# Altium PCB DI544.PcbDoc (part 3 of 7)
Units mil, origin at the board's own origin, x right, y up, seen from the top; angles counter-clockwise.
Board outline 8666.42 x 9192.01 mil, 4 copper layers (Top Layer, Mid-Layer 1, Mid-Layer 2, Bottom Layer), stack 35.6 mil thick; 830 components, 583 nets, 2837 pads, 1326 vias.
Unrouted connection lines stored in the file: 629.
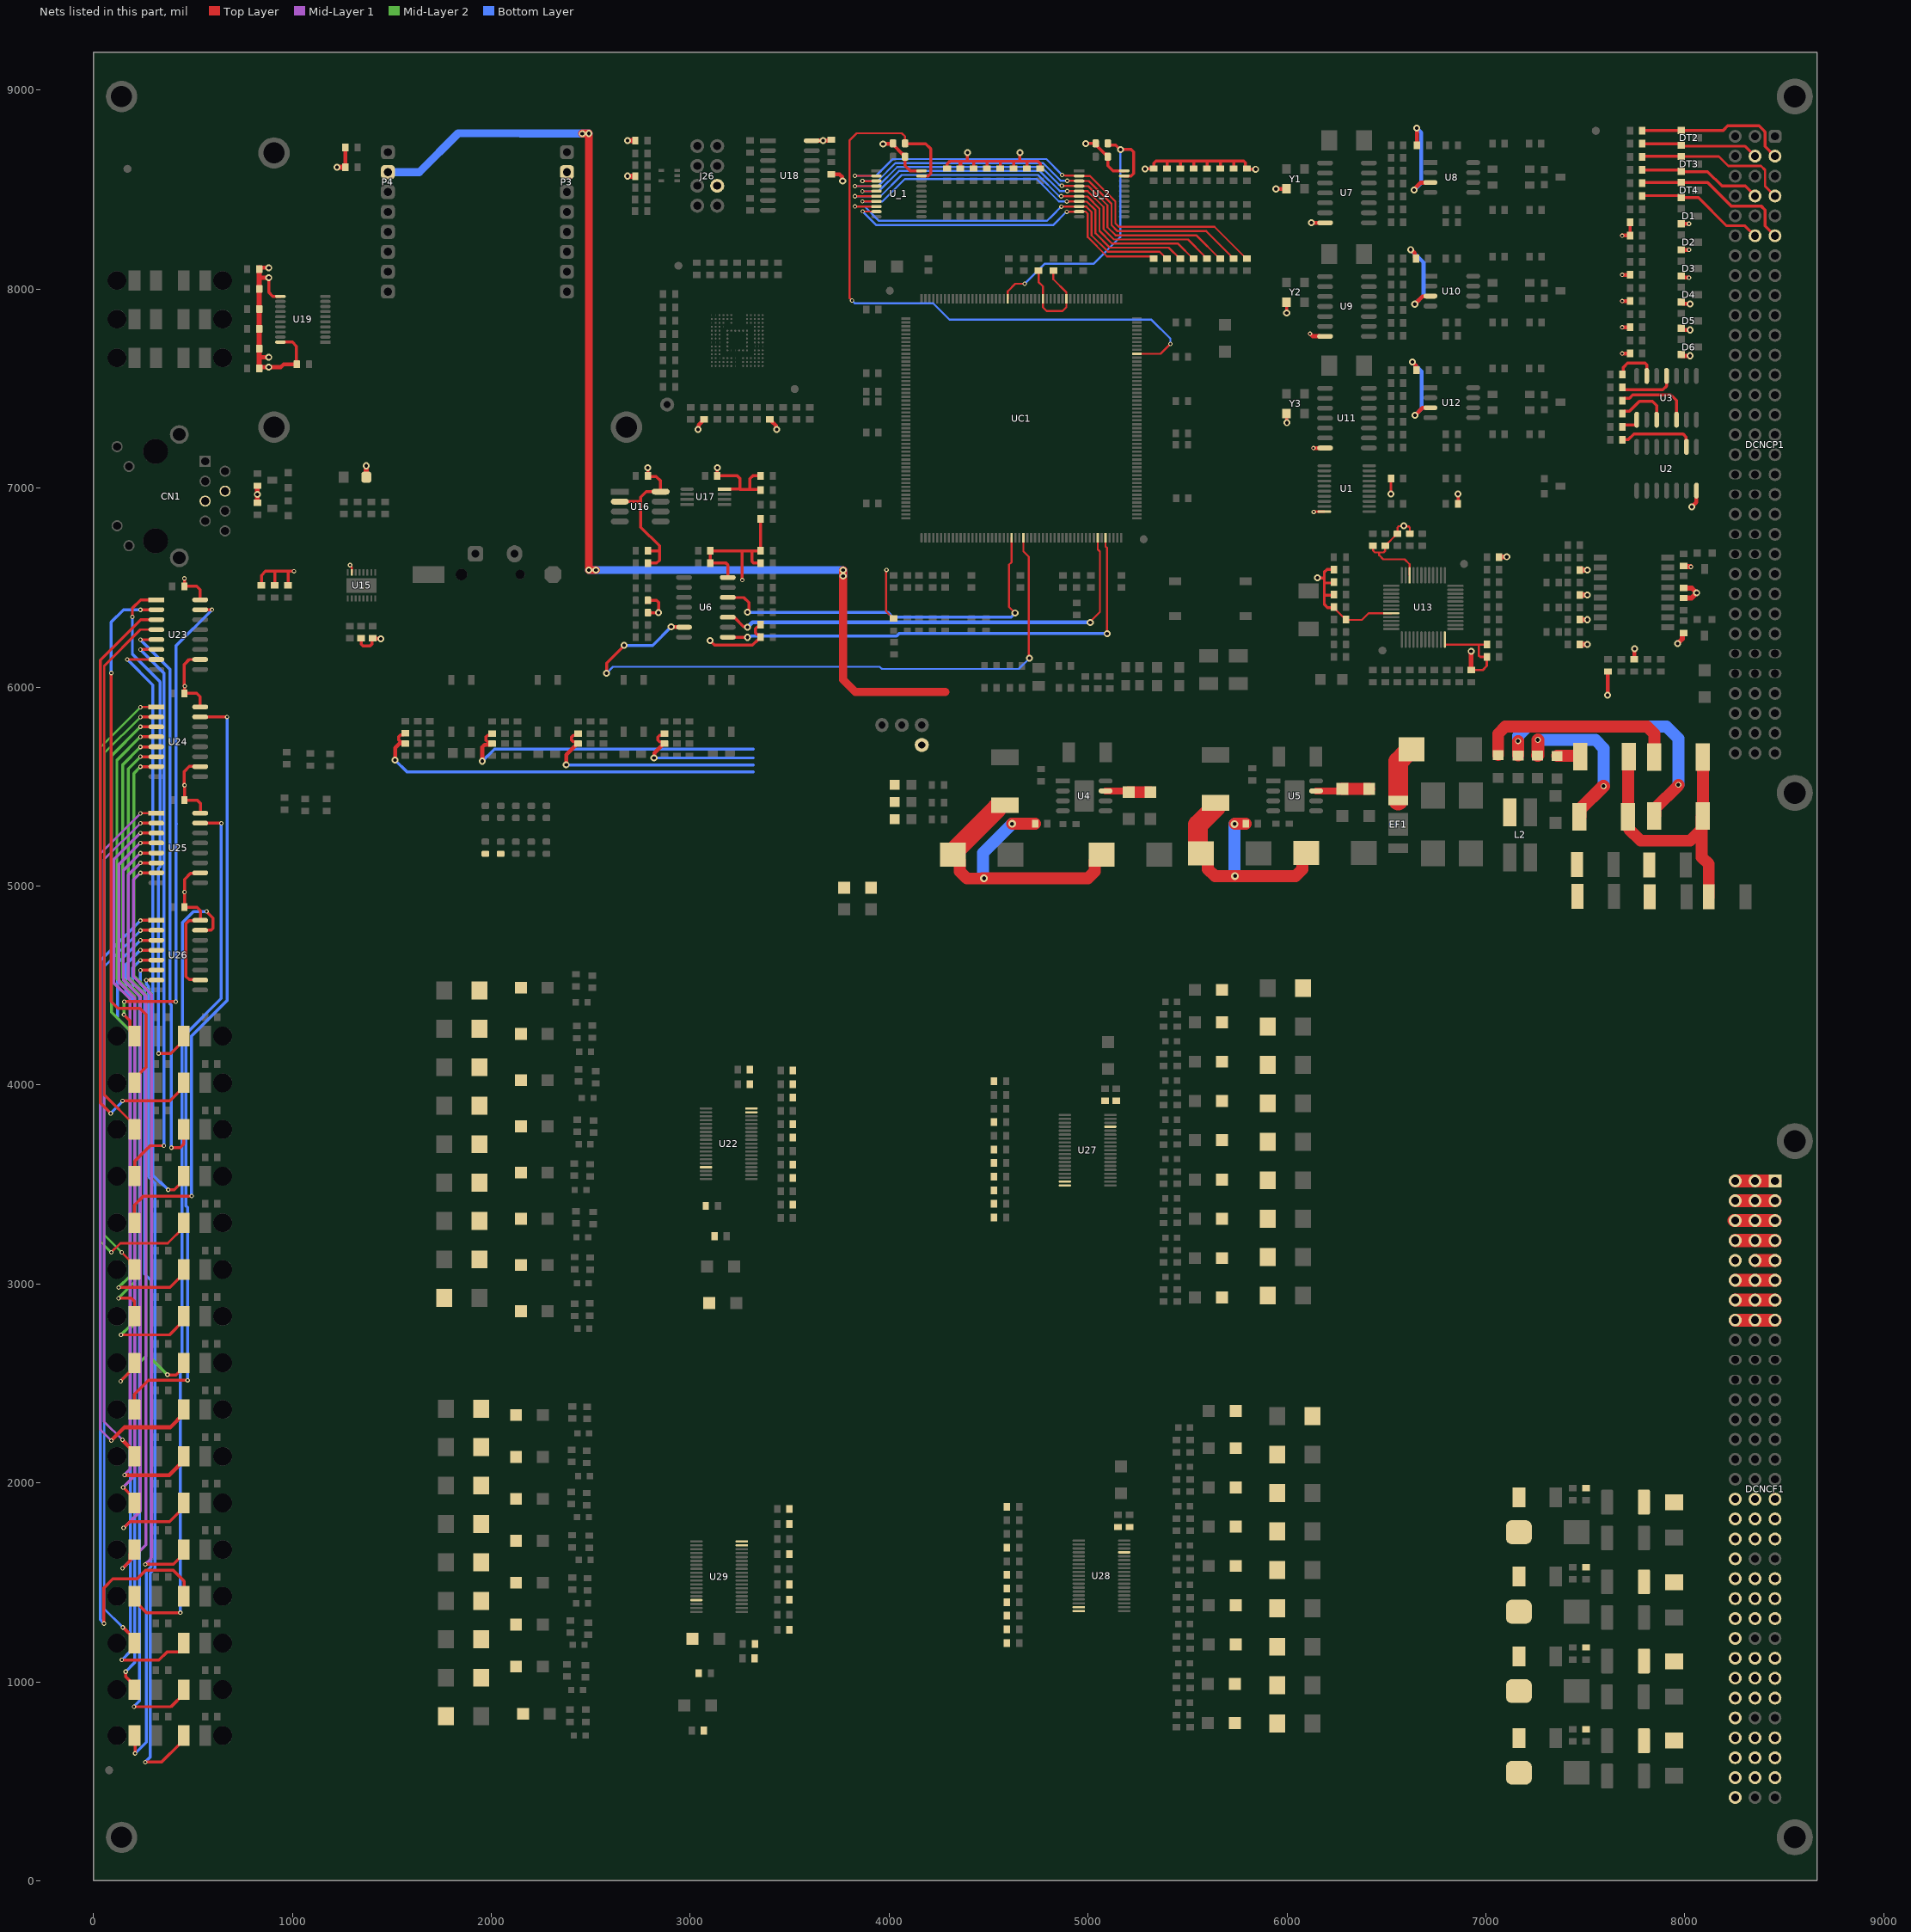
[diagram p5: the nets of this part, all layers, seen from the top]

## Part data (continued)
Y1 Y2 Y3: library part 10010656, "MINIATURE PURE SILICON CLOCK OSCILLATOR", Manufacturer="ABRACON Corporation", Package=SMD, PartNumber="ASFLMB-12MHZ-EY (2)", SAPCode=10010656, Type=SMD
Y4: library part 10008999, "Crystal, 25.0000 MHz, 18PF", Manufacturer="ECS Inc International", Package=SMD, PartNumber=ECS-250-18-23A-EN, SAPCode=10008999, Type=SMD

## Free pads (board coordinates)
  round 157.48 hole 106.3: 1(141.57,218.5) 1(141.57,8968.5) 1(908,7307) 1(908,8684.95) 1(2679.65,7307)
  round 40 smd mask+20: G(79,556) G(171,8605) G(2941.06,8118) G(3525.59,7498.03) G(4004,7992) G(5280,6743) G(6480.57,6183.84) G(6890.68,6619.28) G(7553,8796)
  round 40 smd far side mask+20: G(79,556) G(171,8605) G(7553,8796)

## Via types
v1: diameter 22, hole 12, Top Layer to Bottom Layer, tented both sides, 440 vias
v2: diameter 32, hole 18, Top Layer to Bottom Layer, tented both sides, 418 vias
v3: diameter 35, hole 18, Top Layer to Bottom Layer, tented both sides, 380 vias
v4: diameter 20, hole 12, Top Layer to Bottom Layer, tented both sides, 52 vias
v5: diameter 24, hole 12, Top Layer to Bottom Layer, tented both sides, 8 vias
v6: diameter 38, hole 18, Top Layer to Bottom Layer, tented both sides, 6 vias
v7: diameter 30, hole 20, Top Layer to Bottom Layer, 4 vias
v8: diameter 39.37, hole 19.68, Top Layer to Bottom Layer, 4 vias
v9: diameter 62.99, hole 31.5, Top Layer to Bottom Layer, tented both sides, 4 vias
v10: diameter 35, hole 19, Top Layer to Bottom Layer, tented both sides, 4 vias
v11: diameter 21, hole 12, Top Layer to Bottom Layer, tented both sides, 3 vias
v12: diameter 35, hole 12, Top Layer to Bottom Layer, tented both sides, 1 vias
v13: diameter 22.01, hole 12, Top Layer to Bottom Layer, tented both sides, 1 vias
v14: diameter 35, hole 22, Top Layer to Bottom Layer, tented both sides, 1 vias

## Nets (pads, with @x,y where several pads share a name; then routed paths per layer and width w, separated by ;. In a path a pad name is that pad's centre, name@x,y a point inside that pad or via, vN(x,y) a via of type N, cw(c..) or ccw(c..) an arc to the next point about the centre after c; other vN are vias at no path point)
24G1: C49.1 DCNCF1.A2 DCNCF1.A4 DCNCF1.A6 DCNCF1.A8 DCNCF1.B2 DCNCF1.B4 DCNCF1.B6 DCNCF1.B8 DCNCF1.C2 DCNCF1.C4 DCNCF1.C6 DCNCF1.C8 DT5.K DT6.K DT7.K DT8.K L2.2 | length 2296.2
  Top Layer w60: DT5.K@7714.09,5348 7719.53,5342.57 7719.53,5286.15 7777.67,5228 8027.42,5228 DT7.K@8085.57,5286.15 ; DT5.K@7716.09,5350 DT6.K@7716.09,5648 ; DT8.K@8091,5649 DT7.K@8091,5352 8085.57,5346.57 DT7.K@8085.57,5286.15 ; C49.1@8121,4946 8121,5109.62 8085.57,5145.05 DT7.K@8085.57,5286.15
  Top Layer w65: DCNCF1.C8@8253.78,2818.5 DCNCF1.B8@8353.78,2818.5 DCNCF1.A8@8453.78,2818.5 ; DCNCF1.C6@8253.78,3018.5 DCNCF1.B6@8353.78,3018.5 DCNCF1.A6@8453.78,3018.5 ; DCNCF1.C4@8253.78,3218.5 DCNCF1.B4@8353.78,3218.5 DCNCF1.A4@8453.78,3218.5 ; DCNCF1.C2@8253.78,3418.5 DCNCF1.B2@8353.78,3418.5 DCNCF1.A2@8453.78,3418.5
24V1: C45.1 D10.A DCNCF1.A1 DCNCF1.B1 DCNCF1.C1 DT8.A | length 1239.6
  Top Layer w60: D10.A@7062,5658 7062,5765.85 7097.15,5801 7232.04,5801 7233.04,5802 7288.96,5802 7289.96,5801 7811.76,5801 7846.91,5765.85 DT8.A@7846.91,5649
  Top Layer w65: DCNCF1.C1@8253.78,3518.5 DCNCF1.B1@8353.78,3518.5 DCNCF1.A1@8453.78,3518.5
24V2: C44.1 D9.A DCNCF1.A3 DCNCF1.B3 DCNCF1.C3 DT7.A | length 1595.1
  Top Layer w60: v7(7162,5729) 7163,5728 D9.A@7163,5656.17 ; DT7.A@7846.91,5352 7852.34,5357.43 7852.34,5390.9 7968,5506.56 v7(7968,5509)
  Top Layer w65: DCNCF1.C3@8247.74,3318.5 DCNCF1.B3@8353.78,3318.5 DCNCF1.A3@8453.78,3318.5
  Bottom Layer w60: v7(7162,5729) 7162,5753.85 7210.15,5802 7908,5802 7968,5742 v7(7968,5509)
24V3: C43.1 D8.A DCNCF1.A5 DCNCF1.B5 DCNCF1.C5 DT6.A | length 217.7
  Top Layer w60: D8.A@7358,5654 7470,5654 DT6.A@7474,5650
  Top Layer w65: DCNCF1.B5@8353.78,3118.5 DCNCF1.A5@8453.78,3118.5
24V4: C42.1 D7.A DCNCF1.A7 DCNCF1.B7 DCNCF1.C7 DT5.A | length 1024.6
  Top Layer w65: D7.A@7260,5656 7261,5657 v7(7261,5734.5) ; DT5.A@7470,5348 7472.93,5350.93 7472.93,5384.4 7590.54,5502 v7(7592,5502) ; DCNCF1.C7@8253.78,2918.5 DCNCF1.B7@8353.78,2918.5 DCNCF1.A7@8453.78,2918.5
  Bottom Layer w60: v7(7261,5734.5) 7551,5734.5 7593,5692.5 7593,5503 v7(7592,5502)
+3.3V: C34.2 C39.2 C53.1 C54.1 C80.2 C81.2 C82.2 C83.2 C84.2 C96.2 C97.1 C99.2 C101.1 C103.2 C123.2 C125.2 C163.1 C164.1 C165.1 C166.1 C167.2 C168.1 C169.2 C170.2 C183.2 C184.2 C185.2 C186.2 C187.2 CN1.4 CN1.5 D1.2 D2.2 D3.2 D4.2 D5.2 D6.2 D14.A D17.A J26.6 L3.2 P3.3 R26.1 R27.1 R35.1 R37.1 R50.1 R51.1 R53.2 R55.2 R57.1 R58.2 R59.2 R60.2 R61.2 R62.2 R63.2 R70.1 R98.2 R99.2 R100.2 R101.2 R102.2 R103.2 R115.2 R116.2 R117.1 R118.2 R119.2 R120.2 R121.1 R124.2 R125.2 R126.2 R127.2 R137.2 R138.2 R139.2 R140.2 R141.2 R142.2 R143.2 R144.2 R145.2 R146.2 R147.2 R148.2 R149.2 R150.2 R151.2 R152.2 R153.2 R154.2 R155.2 R156.2 R157.2 R158.2 R159.1 R160.1 R162.1 R163.1 R164.2 R165.2 R171.2 R172.2 R175.1 R181.1 R184.2 R185.2 R186.2 R200.1 R216.1 R279.1 U1.20 U2.14 U6.14 U7.14 U8.3 U9.14 U10.3 U11.14 U12.3 U13.22 U13.32 U13.48 U15.15 U16.2 U16.8 U17.8 U18.16 U19.11 U19.20 U23.10 U23.16 U24.10 U24.16 U25.10 U25.16 U26.10 U26.16 U_1.20 U_2.20 Y1.4 Y2.4 Y3.4 | length 16098.3
  Top Layer w10: v1(1290.35,6613.19) 1290.35,6609.94 1298.6,6601.69 U15.15@1298.6,6575.75 ; v1(3987.2,6589.16) 3985.24,6587.19 3985.24,6381.04 4021.49,6344.78 R55.2@4023.02,6344.78 R55.2@4024.99,6344.78 ; 4358.73,8639.99 4362,8643.25 ; 4425,8643.25 4425.62,8642.63 ; 4491,8643.25 4492.51,8641.74 ; 4557,8643.25 4559.4,8640.85 ; 4626,8643.25 4626.29,8642.96 ; 4692,8643.25 4693.18,8642.07 ; 6185.53,6549.21 6187.99,6551.67 ; 6187.99,6460.63 6188.9,6461.54 ; 6187.99,6525.59 6190.07,6523.52 ; R117.1@6236.23,6396.06 R117.1@6236.23,6399.56 ; R117.1@6237.49,6397.32 6283.73,6351.08 6287.23,6351.08 6297.23,6341.08 C84.2@6297.23,6340.08 6297.23,6337.58 6376.66,6337.58 6410.19,6371.11 U13.32@6524.4,6371.11 ; C83.2@6433.76,6709.1 6433.76,6685.33 6441.93,6677.17 6464.07,6677.17 ; U13.22@6616.92,6562.05 6616.92,6617.33 6591.54,6642.72 6484.25,6642.72 6464.07,6662.89 6464.07,6677.17 ; R120.2@6618.1,6771.48 6618.1,6802.17 6612.24,6808.03 6590.1,6808.03 v3(6587.11,6811.02) 6584.42,6808.33 6562.06,6808.33 6556.2,6802.48 R119.2@6556.2,6771.48 6552.7,6771.48 6541.7,6760.48 6541.7,6757.88 6508.79,6724.98 6508.79,6721.48 6497.79,6710.48 C81.2@6494.29,6710.48 6494.29,6685.24 6486.22,6677.17 6464.07,6677.17
  Top Layer w11.81: R58.2@7719.88,7682.12 R58.2@7725,7677
  Top Layer w12: v1@6133.12,6881.82 6133.34,6882.05 6187.78,6882.05 U1.20@6188,6882.27 ; v3(6522.64,6971.28) 6523.32,6971.96 6523.32,7047.7 C34.2@6524,7048.38 ; U13.48@6798.23,6213.62 C80.2@7005.27,6213.62 ; C82.2@6926.18,6086.92 C82.2@6927.62,6085.48 6984.1,6085.48 7004.92,6106.3 7004.92,6151.29 6972.73,6151.29 6964.57,6159.45 6964.57,6213.58 ; R98.2@7473.25,6595.25 R98.2@7478.84,6600.84
  Top Layer w15: C186.2@457.24,5432.07 457.62,5432.45 457.62,5506.62 v1(458,5507) 457.24,5507.76 457.24,5576.33 482.28,5601.38 535.53,5601.38 U24.10@536.78,5600.13 ; v1@457.24,6004.92 457.24,6114.72 481.37,6138.85 U23.10@536.78,6138.85 ; C123.2@457.24,6507.19 519.77,6507.19 536.78,6490.18 U23.16@536.78,6441.47 ; C123.2@457.24,6510.69 457.46,6510.91 v1(457.46,6546.04) ; C187.2@457.62,4894.07 457.62,4969.62 v1(458,4970) 457.62,4970.38 457.62,5034.39 487.86,5064.63 535.06,5064.63 U25.10@536.78,5066.35 ; C187.2@458.15,4893.69 520.69,4893.69 537.69,4876.68 U26.16@537.69,4827.97 ; C186.2@458.15,5432.07 520.69,5432.07 537.69,5415.07 U25.16@537.69,5366.35 ; v1(459.12,6004.92) 458.18,6003.98 458.18,5969.53 C125.2@457.24,5968.59 519.77,5968.59 536.78,5951.58 U24.16@536.78,5902.87 ; U26.10@536.78,4527.64 535.06,4529.36 481.47,4529.36 465.55,4545.28 465.55,4811.02 481.3,4826.77 535.91,4826.77 U26.16@536.78,4827.64 ; R184.2@844.52,6511.19 844.52,6562.04 865.16,6582.68 911.42,6582.68 ; v3(881.75,8058.03) 881.75,7984.25 901.87,7964.13 U19.11@940,7964.13 ; R185.2@911.42,6511.19 911.42,6582.68 ; U19.20@940,7733.82 1000.18,7733.82 1021,7713 C103.2@1021,7632 ; R186.2@978.83,6511.19 978.83,6582.68 ; v1(1007.87,6582.68) 978.83,6582.68 ; R50.1@1346.06,6245.4 1346.46,6245 1346.46,6214.99 1355.24,6206.2 1390.82,6206.2 1399.61,6214.99 1399.61,6240.4 R51.1@1403.95,6244.75 ; v3@1371.06,7111.22 v3@1371.63,7110.65 ; D14.A@1371.63,7055.63 D14.A@1372.2,7055.06 ; U16.2@2645.33,6931.27 U16.2@2646.48,6932.43 2751.33,6932.43 2751.97,6933.07 ; v3(2684.85,8568.9) v3@2685.57,8568.18 ; R164.2@2723.21,8568.18 R164.2@2723.92,8567.47 ; C168.1@2778.7,6424.44 2787.2,6432.94 C168.1@2787.2,6436.44 2831.28,6436.44 2841.54,6426.18 v3(2841.54,6374.02) 2841.36,6374.19 2787.38,6374.19 R279.1@2787.2,6374.36 ; R181.1@2787.2,6622.67 2788.55,6624.02 2831.69,6624.02 2845.47,6637.8 2845.47,6684.06 ; C165.1@2787.2,6684.74 2844.78,6684.74 2845.47,6684.06 ; v3(2787.4,7102.36) 2787.3,7102.26 2787.3,7061.59 2789.83,7059.06 2828.74,7059.06 2851.48,7036.31 U16.8@2851.48,6982.43 2779.67,6982.43 2751.97,6954.72 2751.97,6933.07 ; v3(3099.41,6233.27) 3122.05,6210.63 3312.85,6210.63 3342.43,6240.21 3345.93,6240.21 3354.43,6248.71 C164.1@3354.43,6252.21 3354.43,6255.71 3345.93,6264.21 3336.3,6264.21 3327.51,6273 3327.51,6293.21 3336.3,6302 3345.93,6302 3354.43,6310.5 R200.1@3354.43,6314 ; v3@3134.84,7099.91 3136.68,7098.08 3136.68,7063.52 3134.84,7061.68 C97.1@3136.6,7061.68 3237.53,7061.68 3251.22,7047.99 3251.22,6994.79 ; U17.8@3172.48,6994.79 3251.22,6994.79 ; U6.14@3188.98,6550.98 3188.98,6614.17 3180.19,6622.95 3101.38,6622.95 3101.38,6684.74 3261.81,6684.74 ; 3251.22,6994.41 3300.81,6994.41 ; 3251.41,6994.79 3251.22,6994.79 ; 3251.59,6995.16 3251.22,6994.79 ; v1(3261.81,6538) 3261.81,6684.74 ; R26.1@3349.41,6995.4 3350.39,6994.41 3300.81,6994.41 ; R216.1@3354.43,6622.95 3318.83,6622.95 3310.04,6631.74 3310.04,6682.83 3308.12,6684.74 ; R53.2@3354.43,6844.97 C163.1@3354.43,6684.74 3308.12,6684.74 ; R27.1@3354.43,7061.68 3315.62,7061.68 3300.81,7046.87 3300.81,6994.41 ; R138.2@4018.44,8731.4 R138.2@4018.44,8730.04 ; R138.2@4019.66,8730.04 R138.2@4018.44,8730.04 ; U_1.20@4162.8,8594.92 4106.87,8594.92 4080.44,8621.36 4080.44,8669.48 4071.94,8677.98 4068.35,8677.98 4018.44,8727.9 R138.2@4018.44,8730.04 ; R137.2@4291.84,8606.54 4291.84,8629.21 4305.88,8643.25 4362,8643.25 4394.29,8643.25 ; v3(4394.46,8686.63) 4394.29,8686.47 4394.29,8643.25 ; R140.2@4425.62,8606.54 4425.62,8642.63 ; R141.2@4492.51,8606.54 4492.51,8641.74 ; R142.2@4559.4,8606.54 4559.4,8640.85 ; R143.2@4626.29,8606.54 4626.29,8642.96 ; v3(4657.5,8686.63) 4657.33,8686.47 4657.33,8643.25 ; R144.2@4693.18,8606.54 4693.18,8642.07 ; R145.2@4760.07,8606.54 4760.07,8630.93 4747.75,8643.25 4692,8643.25 4657.33,8643.25 ; v3@4989.84,8732.84 R147.2@5038.48,8732.84 ; R147.2@5039.35,8729.69 5047.14,8721.9 5047.14,8718.4 5087.56,8677.98 5091.14,8677.98 5099.64,8669.48 C170.2@5099.64,8665.98 5099.64,8621.36 5126.08,8594.92 U_2.20@5182,8594.92 ; v3(5287,8604) 5287.96,8604.96 5329.46,8604.96 R146.2@5331.05,8606.54 5331.05,8633.05 5342,8644 5395,8644 ; R148.2@5397.94,8606.54 5397.94,8641.06 5395,8644 ; R149.2@5464.83,8606.54 5464.83,8641.83 5467,8644 ; R150.2@5531.72,8606.54 5531.72,8643.28 5531,8644 ; R151.2@5598.61,8606.54 5598.61,8643.61 5599,8644 ; R152.2@5665.5,8606.54 5665.5,8643.5 5665,8644 ; R153.2@5732.39,8606.54 5732.39,8639.11 ; v3(5843,8603) 5802.82,8603 R154.2@5799.28,8606.54 5799.13,8606.54 5790.63,8615.04 5790.63,8635.21 5781.84,8644 5665,8644 ; Y3.4@5998.76,7374.94 5999.38,7374.32 5999.38,7329.38 v3(6000,7328.76) ; Y2.4@5998.76,7934.53 Y2.4@5998.76,7934.53 5998.82,7880.99 v3(5998.88,7880.93) ; v3(6153.54,6549.21) 6185.53,6549.21 ; 6188.9,6461.54 R115.2@6236.23,6461.54 ; 6190.07,6523.52 R116.2@6236.23,6523.52 ; R117.1@6236.23,6399.56 6204.77,6399.56 6187.99,6416.34 6187.99,6460.63 6187.99,6525.59 6187.99,6551.67 6187.99,6577.76 6201.57,6591.34 R118.2@6236.23,6591.34 ; R57.1@6859.25,6932.52 6860.12,6933.38 6860.12,6971.16 v3(6860.24,6971.28) ; R121.1@7066.27,6654.15 R121.1@7066.46,6654.34 ; v3@7105.13,6654.34 v3(7105.32,6654.53) ; R100.2@7473.25,6339.03 R100.2@7473.47,6338.8 ; v3@7509.62,6338.8 v3(7509.84,6338.58) ; R62.2@7725,8270.21 R63.2@7725,8336.12 ; D4.2@7982.44,7934.99 D4.2@7992.08,7925.36 ; D3.2@7982.44,8066.4 D3.2@7989.44,8059.41 ; R124.2@7995.05,6608.49 R124.2@7998.25,6605.29 ; v1@8021.3,8059.41 v1@8022.64,8058.07 ; v1@8030.54,6605.29 v1(8031.5,6604.33) ; 911.42,6582.68 978.83,6582.68 ; 2751.97,6933.07 2751.97,6803.15 2845.47,6709.65 2845.47,6684.06 ; 3261.81,6684.74 3308.12,6684.74 ; 4394.29,8643.25 4425,8643.25 4491,8643.25 4557,8643.25 4626,8643.25 4657.33,8643.25 ; 5395,8644 5467,8644 ; 5467,8644 5531,8644 ; 5531,8644 5599,8644 ; 5599,8644 5665,8644
  Top Layer w20: R160.1@833.79,7608.13 v3@881.44,7608.13 ; 833.79,7658.08 v3@881.44,7658.08 ; 833.79,8057.73 v3@881.44,8057.73 ; R155.2@833.79,8107.68 v3@881.44,8107.68 ; v3(881.75,7608.43) 942.43,7608.43 956.39,7622.39 C103.2@1022.84,7622.39 ; v3(1224.55,8612.96) v3@1224.59,8612.92 ; R37.1@1266.84,8612.92 R37.1@1267.07,8612.69 ; R37.1@1267.27,8612.89 R35.1@1267.27,8712.48 ; R51.1@1403.95,6244.75 1404.34,6244.36 1442.62,6244.36 v3(1445.08,6241.9) ; v3(3039.37,7294.8) 3042.24,7297.67 3042.24,7317.56 3060.3,7335.62 3060.3,7339.12 3066.3,7345.12 R163.1@3069.8,7345.12 ; R162.1@3401.45,7345.12 3404.95,7345.12 3410.95,7339.12 3410.95,7335.62 3432.17,7314.4 3432.17,7297.67 v3(3435.04,7294.8) ; U18.16@3611.19,8746.51 3611.73,8747.05 v3(3668.31,8747.05) 3698.98,8747.05 3708.06,8756.13 C99.2@3708.06,8757.53 ; C101.1@3708.48,8578.01 3709.22,8577.27 3750.68,8577.27 3763.86,8564.08 3763.86,8546.4 v3(3766.73,8543.53) ; v3(3969.96,8730.04) R138.2@4018.44,8730.04 ; R139.2@4358.73,8606.54 4358.73,8639.99 ; v3(5944.88,8503.94) 5945.15,8504.2 5998.49,8504.2 Y1.4@5998.76,8504.46 ; v1(6116,7776) 6128.23,7763.77 6165.73,7763.77 U9.14@6166.31,7763.19 ; v3@6123.16,8334 U7.14@6168,8334 ; v1(6133.23,7201.23) 6163.35,7201.23 U11.14@6163.62,7201.5 ; v3(6622,8199) 6626.06,8199 6642.74,8182.32 6642.74,8159.83 C184.2@6648.74,8153.83 ; v3(6631,7633.5) 6631.5,7633.5 6648,7617 6648,7597 C185.2@6652,7593 ; v3(6639,8498) 6639,8501 6673.42,8535.42 6732.42,8535.42 U8.3@6733.19,8536.19 ; v3(6643,7925) 6682.42,7964.42 6729.94,7964.42 U10.3@6730.98,7965.46 ; v3(6644,7366) 6681.42,7403.42 6732.46,7403.42 U12.3@6733.19,7404.15 ; v3(6653,8809) 6653.61,8808.39 6653.61,8724.83 C183.2@6654.21,8724.22 ; v3@7613.46,5959 R172.2@7613.46,6077.98 ; v1(7685.31,7676.63) R58.2@7725.03,7676.63 ; v1(7685.31,7808.45) R59.2@7725.03,7808.45 ; v1(7685.31,7940.28) R60.2@7725.03,7940.28 ; v1(7685.31,8072.1) R61.2@7725.03,8072.1 ; v1@7685.31,8269.84 R62.2@7725.03,8269.84 ; R171.2@7746.46,6139.46 7747.43,6140.42 7747.43,6191.64 v3(7748.4,6192.6) ; D6.2@7982.44,7664.18 7982.56,7664.29 v3@8032.56,7664.29 ; D2.2@7982.44,8197.81 v1@8021.52,8197.81 ; D1.2@7982.44,8329.22 v1@8021.52,8329.22 ; D5.2@7983.98,7795.28 v3(8026.58,7795.28) v3@8028.54,7795.28 ; D3.2@7989.44,8058.43 v1@8021.3,8058.43 ; D4.2@7993.98,7927.25 8033.38,7927.25 v3@8034.45,7926.18 ; v3(8035.43,6906.5) 8035.84,6906.5 8058.79,6929.44 U2.14@8058.79,6987.44
  Top Layer w25: R102.2@824,6927 v3(824,6968.95) R103.2@824,6999.21 ; R160.1@833.79,7608.13 833.79,7658.08 R159.1@833.79,7701.04 R158.2@833.79,7800.95 R157.2@833.79,7900.86 R156.2@833.79,8000.77 833.79,8057.73 R155.2@833.79,8100.68 R155.2@833.79,8107.68 ; v3@1224.59,8612.92 R37.1@1266.84,8612.92 ; D14.A@1371.63,7055.63 v3@1371.63,7110.65 ; v3(2684.85,8747.05) R165.2@2723.89,8747.05 ; v3@2685.57,8568.18 R164.2@2723.21,8568.18 ; C82.2@6926.18,6086.92 v3(6926.18,6180.12) ; R121.1@7066.46,6654.34 v3@7105.13,6654.34 ; R101.2@7473.27,6214.57 v3(7509.84,6214.57) ; R99.2@7473.25,6463.6 v3(7509.84,6463.58) ; R98.2@7473.25,6588.17 v3(7509.84,6588.15) ; R100.2@7473.47,6338.8 v3@7509.62,6338.8 ; v3(7963.58,6218.5) 7988.1,6243.02 7988.1,6269.05 7991.6,6272.55 R127.2@7995.1,6272.55 ; R126.2@7995.1,6447.7 8034.32,6447.7 v3(8060.04,6473.43) 8035.47,6498 R125.2@7995.1,6497.96 R125.2@7995.1,6497.96 ; R124.2@7998.25,6605.29 v1@8030.54,6605.29
  Top Layer w60: C53.1@4321,5158 4326,5158 4356,5128 4356,5073.15 4391.15,5038 v8@4477,5038 ; v8@4467,5039 v8(4477,5039) 4998.85,5039 5034,5074.15 5034,5128 5064,5158 C54.1@5069,5158 ; v8(4619,5313) R70.1@4735,5313
  Top Layer w100: C53.1@4316,5159 4326,5169 4326,5174 L3.2@4542,5390
  Bottom Layer w20: v3(6622,8199) 6687,8134 6687,7969 v3(6643,7925) ; v3(6631,7633.5) 6678,7586.5 6678,7400 v3(6644,7366) ; v3(6639,8498) 6674.5,8533.5 6674.5,8787.5 v3(6653,8809)
  Bottom Layer w60: 4472,5066.77 4472,5166 v8(4619,5313)
  other v1: 6135.08,6880.84 8021.52,8058.07 8021.52,8197.65 7685.31,8268.86 8021.52,8329.06
  other v3: 7612.5,5959 3136.76,7102.36 1371.06,7112.2 881.75,7658.38 8026.58,7665.35 8026.58,7926.18 881.75,8107.98 6123,8334.16 4989,8732
+3.3V-F: C135.2 C136.2 C137.2 C138.2 C198.2 C199.2 C200.2 C202.2 R86.1 R132.1 R175.2 R222.1 R223.1 R224.1 R225.1 R227.1 R229.1 R230.1 R231.1 R249.1 R251.1 R252.1 R254.1 R256.1 R257.1 R336.1 R337.1 R339.1 R342.1 R343.1 R344.1 R362.1 R363.1 R364.1 R365.1 R367.1 R369.1 U22.37 U22.38 U27.37 U27.38 U28.37 U28.38 U29.37 U29.38
+5V: C171.1 C172.1 D53.A L4.2 P4.3 R306.1 | length 7062.2
  Top Layer w40: v3(2457.57,8782.28) 2457.78,8782.48 v3(2491.14,8782.48) 2491.14,8753.94 v3@2491.14,6590.55 ; v3(2491.14,6588.25) v3@2491.14,6589.57 ; v3@2492.13,6588.58 2492.46,6588.25 v3(2526.57,6588.25) ; v3(3769,6588.11) v3(3769,6558) 3769,6037 3830.61,5975.39 4283.61,5975.39 ; v8(5737,5312) v8@5738,5313
  Top Layer w60: C171.1@5553,5174 5566,5161 5576,5161 5603,5134 5603,5085.15 5638.15,5050 v8(5739,5050) 6042.85,5050 6078,5085.15 6078,5134 6108,5164 C172.1@6113,5164 ; C171.1@5568,5164 C171.1@5573,5164 ; v8@5738,5313 R306.1@5793,5313
  Top Layer w100: C171.1@5553,5174 5553,5309 L4.2@5648,5404
  Bottom Layer w39.37: v3(3769,6558) v3(3769,6588.11)
  Bottom Layer w40: P4.3@1480.42,8588.48 1638.68,8588.48 1833.66,8783.46 2145.02,8783.46 2146.21,8782.28 v3(2457.57,8782.28) 2457.78,8782.48 v3(2491.14,8782.48) ; v3(2491.14,6588.25) v3(2526.57,6588.25) 3768.86,6588.25 v3(3769,6588.11) ; v8@5737,5052 v8(5739,5050)
  Bottom Layer w60: v8@5737,5052 v8(5737,5312)
+24V: 24V.1 C46.1 C51.2 C52.2 C56.2 C57.2 D51.A EF1.3 U4.7 U5.7 | length 801.8
  Top Layer w35: U4.7@5088.5,5478 5198,5478 C51.2@5204,5472 ; U5.7@6146.5,5478 6147.5,5477 6268,5477 C57.2@6279,5488
  Top Layer w60: C51.2@5204,5472 C52.2@5314,5472 ; C57.2@6279,5488 C56.2@6414,5488 ; C46.1@6604,5670 C46.1@6614,5660
  Top Layer w100: EF1.3@6560,5430.08 6560,5626 6604,5670 6621,5687 C46.1@6626,5687
+24V-1: C140.2 RL2.1 U28.16
+24V-2: C126.2 RL1.1 U27.16
+24V-3: C203.2 RL4.1 U29.16
+24V-4: C189.2 RL3.1 U22.16
+24VF-1: C119.1 D47.K R182.2 R196.2 | length 2026.7
  Top Layer w15: R196.2@1555.9,5725.26 1544.33,5725.26 1535.55,5734.05 1535.55,5750.36 1544.33,5759.15 1559.4,5759.15 R182.2@1567.9,5767.65
  Top Layer w20: v3(1516.77,5632.87) 1516.77,5693.9 1539.41,5716.54 1567.12,5716.54 R196.2@1567.9,5715.76
  Bottom Layer w15: v3(1516.77,5632.87) 1576.65,5573 3317,5573
+24VF-2: C150.1 D48.K R202.2 R212.2 | length 1153.3
  Top Layer w15: R212.2@2424.48,5724.26 2412.91,5724.26 2404.12,5733.05 2404.12,5749.36 2412.91,5758.15 2427.98,5758.15 R202.2@2436.48,5766.65
  Top Layer w20: v3(2377,5609) 2377,5659.78 2432.98,5715.76 R212.2@2436.48,5715.76
  Bottom Layer w15: v3(2377,5609) 3317,5609
+24VF-3: C155.1 D49.K R218.2 R277.2 | length 682.9
  Top Layer w15: R277.2@2867.04,5715.76 2858.54,5724.26 2846.98,5724.26 2838.19,5733.05 2838.19,5749.36 2846.98,5758.15 2862.04,5758.15 R218.2@2870.54,5766.65
  Top Layer w20: v3(2818,5644) 2820.87,5646.87 2820.87,5669.59 R277.2@2867.04,5715.76
  Bottom Layer w15: v3(2818,5644) 3317,5644
+24VF-4: C160.1 D50.K R280.2 R285.2 | length 1594.6
  Top Layer w15: R285.2@1992.6,5724.26 1981.03,5724.26 1972.25,5733.05 1972.25,5749.36 1981.03,5758.15 1996.1,5758.15 R280.2@2004.6,5766.65
  Top Layer w20: v3(1954.76,5627.95) 1954.76,5698.04 1966.48,5709.76 1998.6,5709.76 R285.2@2004.6,5715.76
  Bottom Layer w15: v3(1954.76,5627.95) 2015.81,5689 3317,5689
A_CS0: R138.1 U_1.19 UC1.95 | length 3357.5
  Top Layer w10: v1(3813.98,7942.91) 3801.91,7954.98 3801.91,8748.91 3837,8784 4064,8784 4080.66,8767.34 R138.1@4080.66,8731.4 ; UC1.95@5245.9,7675.54 5365.04,7675.54 v1(5414,7724.5)
  Top Layer w15: R138.1@4080.66,8731.4 4184.4,8731.4 4209.8,8706 4209.8,8582.43 4196.84,8569.47 4162.94,8569.47 U_1.19@4162.8,8569.33
  Bottom Layer w10: v1(3813.98,7942.91) 3827.76,7929.13 4221.87,7929.13 4304.54,7846.46 5319.16,7846.46 5414,7751.61 v1(5414,7724.5)
A_CS1: R147.1 U_2.19 UC1.134 | length 1463.5
  Top Layer w10: UC1.134@4596.29,7951.13 4596.29,7989.01 4634.46,8027.18 4681.18,8027.18 v1(4681.87,8027.87)
  Top Layer w15: R147.1@5099.64,8733 5108.14,8724.5 5138.54,8724.5 5161.05,8702 5216,8702 5229,8689 5229,8582 5216.47,8569.47 5182.14,8569.47 U_2.19@5182,8569.33
  Bottom Layer w10: v1(4681.87,8027.87) 4781.38,8127.38 5027.38,8127.38 5162,8262 v3@5162,8702
  other v3: 5163.97,8702
BP-ADD0: DCNCP1.A2 DT2.1 R64.1 | length 784.1
  Top Layer w15: R64.1@7785.91,8797.51 7786.38,8797.98 7981.97,8797.98 DT2.1@7982.44,8798.45 8193.45,8798.45 8216,8821 8374,8821 8402,8793 8402,8790.97 8403.76,8789.21 8403.76,8717.24 8452.5,8668.5 DCNCP1.A2@8453.78,8668.5
BP-ADD1: DCNCP1.B2 DT2.2 R65.1 | length 593.4
  Top Layer w14: R65.1@7786.08,8730.46 7975.44,8730.46 7987.41,8718.48 8303.8,8718.48 DCNCP1.B2@8353.78,8668.5
BP-ADD2: DCNCP1.A4 DT3.1 R66.1 | length 797.7
  Top Layer w12: DT3.1@7982.44,8667.04 8171.96,8667.04 8218.98,8620.02 8382.98,8620.02 8404,8599 8404,8518.28 DCNCP1.A4@8453.78,8468.5
  Top Layer w15: R66.1@7786.08,8668.19 7981.29,8668.19 DT3.1@7982.44,8667.04
BP-ADD3: DCNCP1.B4 DT3.2 R67.1 | length 623.2
  Top Layer w15: R67.1@7786.08,8598.93 7975.56,8598.93 DT3.2@7982.44,8592.04 DT3.2@7984.49,8590 ; DT3.2@7983.47,8591.02 8114.98,8591.02 8187.48,8518.52 8303.76,8518.52 DCNCP1.B4@8353.78,8468.5
BP-ADD4: DCNCP1.A6 DT4.1 R68.1 | length 824
  Top Layer w15: R68.1@7786.08,8536.66 DT4.1@7981.41,8536.66 ; DT4.1@7982.44,8535.63 8115.37,8535.63 8232.52,8418.48 8383.52,8418.48 8403.8,8398.2 8403.8,8347.8 8404,8347.6 8404,8318.28 DCNCP1.A6@8453.78,8268.5
BP-ADD5: DCNCP1.B6 DT4.2 R69.1 | length 648.4
  Top Layer w14: R69.1@7786.08,8467.4 R69.1@7788.7,8470.01 ; R69.1@7786.08,8470.01 R69.1@7788.7,8470.01 ; DT4.2@7979.92,8470.01 R69.1@7788.7,8470.01 ; DT4.2@7982.44,8460.63 8068.91,8460.63 8210.54,8319 8303.28,8319 DCNCP1.B6@8353.78,8268.5
BPA0: R24.2 U2.2 | length 389.7
  Top Layer w15: R24.2@7687,7242.42 7689.66,7245.08 7717.52,7245.08 7745.08,7272.64 7992.13,7272.64 8007.06,7257.7 8007.06,7209.16 U2.2@8008.79,7207.44
BPA1: R25.2 U3.4 | length 287.5
  Top Layer w15: R25.2@7687,7505.83 7687,7502.59 7695.5,7494.09 7889.76,7494.09 7908.79,7513.12 U3.4@7908.79,7564.2
BPA2: R52.2 U3.6 | length 222.1
  Top Layer w15: R52.2@7687,7571.68 7689.9,7574.58 7689.9,7604.9 7712.95,7627.95 7801.18,7627.95 7808.79,7620.35 U3.6@7808.79,7564.2
BPA3: R22.2 U3.8 | length 95
  Top Layer w15: R22.2@7687.01,7318.5 7754.63,7318.5 7758.79,7322.66 U3.8@7758.79,7344.2
BPA4: R21.2 U3.10 | length 278.9
  Top Layer w15: R21.2@7687,7374.12 7687,7377.62 7695.5,7386.12 7722.12,7386.12 7772,7436 7837.62,7436 7858.79,7414.84 U3.10@7858.79,7344.2
BPA5: R20.2 U3.12 | length 394.5
  Top Layer w15: R20.2@7687,7439.98 7687,7443.48 7695.5,7451.98 7721.98,7451.98 7739.09,7469.09 7930.91,7469.09 7958.79,7441.21 U3.12@7958.79,7344.2
D0: R17.1 U_1.2 U_2.2 | length 2385.7
  Top Layer w10: v1(3828.4,8570.18) 3828.45,8570.13 3935.61,8570.13 U_1.2@3936.42,8569.33 ; v1(4870.44,8574.44) 4872.74,8572.15 4885.15,8572.15 4886.23,8571.07 4931.12,8571.07 4931.76,8570.43 4954.52,8570.43 U_2.2@4955.62,8569.33 5009.67,8569.33 5138,8441 5138,8331 5155,8314 5635.48,8314 5795.78,8153.7 R17.1@5799.28,8153.7
  Bottom Layer w10: v1(3828.4,8570.18) 3934.18,8570.18 4018.13,8654.13 4790.75,8654.13 v1(4870.44,8574.44)
D1: R19.1 U_1.3 U_2.3 | length 2237.6
  Top Layer w10: v1@3866,8543.15 U_1.3@3935.83,8543.15 ; v1(4896,8545) 4896.63,8544.37 4954.99,8544.37 U_2.3@4955.62,8543.74 5003.96,8543.74 5118,8429.71 5118,8322.72 5149.14,8291.57 5594.52,8291.57 5717.89,8168.2 5717.89,8164.7 5728.89,8153.7 R19.1@5732.39,8153.7
  Bottom Layer w10: v1@3866,8543.15 3941.91,8543.15 4032.89,8634.13 4773.98,8634.13 4862.54,8545.57 4895.43,8545.57 v1(4896,8545)
  other v1: 3866,8544.13
D2: R2.1 U_1.4 U_2.4 | length 2240.6
  Top Layer w10: v1(3827.91,8518) U_1.4@3936.27,8518 ; v1(4868.74,8519.57) 4869.27,8519.05 4885.18,8519.05 4885.23,8519 4906.77,8519 4906.82,8519.05 4954.73,8519.05 U_2.4@4955.62,8518.15 5001.27,8518.15 5098,8421.42 5098,8312 5138.86,8271.14 5544.56,8271.14 5662,8153.7 R2.1@5665.5,8153.7
  Bottom Layer w10: v1(3827.91,8518) 3945.04,8518 4041.18,8614.13 4765.7,8614.13 4854.26,8525.57 4859.49,8525.57 4865.49,8519.57 v1(4868.74,8519.57)
D3: R4.1 U_1.5 U_2.5 | length 2095.4
  Top Layer w10: v4@3866,8491 3866.78,8491.78 3935.64,8491.78 U_1.5@3936.42,8492.56 ; v1(4896,8493) 4896.22,8492.78 4954.28,8492.78 U_2.5@4955.06,8492 ; U_2.5@4955.62,8492.56 4998.58,8492.56 5078,8413.14 5078,8301.67 5129.95,8249.71 5502.6,8249.71 5584.11,8168.2 5584.11,8164.7 5595.11,8153.7 R4.1@5598.61,8153.7
  Bottom Layer w10: v4(3866,8492) 3947.33,8492 4049.46,8594.13 4757.41,8594.13 4858.55,8493 v1(4896,8493)
D4: R28.1 U_1.6 U_2.6 | length 2096.4
  Top Layer w10: v1(3827.91,8467) U_1.6@3936.42,8466.97 ; v1(4865.97,8467) 4866.18,8466.79 4883.02,8466.79 4883.23,8467 4904.77,8467 4904.98,8466.79 U_2.6@4955.44,8466.79 ; U_2.6@4955.62,8466.97 4956.72,8465.87 4996.98,8465.87 5058,8404.85 5058,8293.02 5122.02,8229 5452.92,8229 5528.22,8153.7 R28.1@5531.72,8153.7
  Bottom Layer w10: v1(3827.91,8467) 3957.04,8467 4064.18,8574.13 4749.13,8574.13 4853.97,8469.3 4863.67,8469.3 v1(4865.97,8467)
D5: R30.1 U_1.7 U_2.7 | length 1947.6
  Top Layer w10: v4@3867,8441 3867.19,8441.19 3936.23,8441.19 U_1.7@3936.42,8441.38 ; v1(4894,8441) 4894.19,8441.19 4955.43,8441.19 U_2.7@4955.62,8441.38 ; U_2.7@4956.72,8440.28 4994.29,8440.28 5038,8396.57 5038,8281 5110,8209 5406.03,8209 5461.33,8153.7 R30.1@5464.83,8153.7
  Bottom Layer w10: v4(3866,8441) 3966.59,8441 4079.72,8554.13 4740.84,8554.13 4853.98,8441 v1(4894,8441)
D6: R32.1 U_1.8 U_2.8 | length 1916
  Top Layer w10: v1(3827.91,8415.79) U_1.8@3936.42,8415.79 ; v1(4866.18,8415) 4954.83,8415 U_2.8@4955.62,8415.79 4956.72,8414.69 4991.6,8414.69 5018,8388.28 5018,8270.75 5099.75,8189 5359.14,8189 5394.44,8153.7 R32.1@5397.94,8153.7
  Bottom Layer w10: v1@3827.91,8416 3877.36,8416 3949.89,8343.46 4362.84,8343.46 4363.38,8344 4794.39,8344 4817.39,8367 4865.39,8415 v1(4866.18,8415)
D7: R33.1 U_1.9 U_2.9 | length 1757
  Top Layer w10: v4(3867.21,8390.79) 3867.51,8390.49 3936.12,8390.49 U_1.9@3936.42,8390.2 ; v1(4894,8389) 4894.6,8389.6 4955.02,8389.6 U_2.9@4955.62,8390.2 4987.8,8390.2 4998,8380 4998,8262.47 5095.76,8164.7 5320.05,8164.7 R33.1@5331.05,8153.7
  Bottom Layer w10: v4(3867.21,8390.79) 3936.15,8321.85 4824.85,8321.85 4892,8389 v1(4894,8389)
DIN1: D29.A DCNCF1.C32 R268.1
DIN2: D30.A DCNCF1.A31 R269.1
DIN3: D39.A DCNCF1.B31 R270.1
DIN4: D40.A DCNCF1.C31 R271.1
DIN5: D41.A DCNCF1.A30 R272.1
DIN6: D42.A DCNCF1.C30 R273.1
DIN7: D43.A DCNCF1.B30 R274.1
DIN8: D44.A DCNCF1.C29 R275.1
DIN9: D18.A DCNCF1.C28 R241.1
DIN10: D19.A DCNCF1.A27 R242.1
DIN11: D23.A DCNCF1.B27 R243.1
DIN12: D24.A DCNCF1.C27 R244.1
DIN13: D25.A DCNCF1.A26 R245.1
DIN14: D26.A DCNCF1.C26 R246.1
DIN15: D27.A DCNCF1.B26 R247.1
DIN16: D28.A DCNCF1.C25 R248.1
DIN17: D68.A DCNCF1.C24 R378.1
DIN18: D69.A DCNCF1.A23 R379.1
DIN19: D70.A DCNCF1.B23 R380.1
DIN20: D71.A DCNCF1.C23 R381.1
DIN21: D72.A DCNCF1.A22 R382.1
DIN22: D73.A DCNCF1.C22 R383.1
DIN23: D74.A DCNCF1.B22 R384.1
DIN24: D75.A DCNCF1.C21 R385.1
DIN25: D45.A DCNCF1.C20 R354.1
DIN26: D46.A DCNCF1.A19 R355.1
DIN27: D52.A DCNCF1.B19 R356.1
DIN28: D54.A DCNCF1.C19 R357.1
DIN29: D55.A DCNCF1.A18 R358.1
DIN30: D56.A DCNCF1.C18 R359.1
DIN31: D57.A DCNCF1.B18 R360.1
DIN32: D66.A DCNCF1.C17 R361.1
DSI_VDD12: C6.2 C7.2 UC1.119 UC1.125 | length 537.5
  Top Layer w10: C6.2@4751.44,8092.7 4751.44,8036.56 4773.46,8014.54 UC1.125@4773.46,7951.13 4773.46,7908.54 4792,7890 4872,7890 4891.57,7909.57 UC1.119@4891.57,7951.13 4891.57,7984.42 4825.96,8050.02 C7.2@4825.96,8092.7
F_LED1: LED9.A U23.15 | length 2562.7
  Top Layer w15: v1(153.54,4353.35) 184.47,4322.42 184.47,4268.03 LED9.A@206.5,4246 ; v1(154.53,4419.29) v1(414.41,4419.32) ; U23.15@536.78,6388.85 v1@596.42,6388.81
  Mid-Layer 2 w15: v1(153.54,4353.35) 154.04,4353.84 154.04,4418.8 v1(154.53,4419.29)
  Bottom Layer w15: v1(414.41,4419.32) 414.41,5308.97 417.5,5312.06 414.31,5315.25 414.31,6206.63 v1(596.46,6388.78)
F_LED2: LED11.A U23.1 | length 2614.6
  Top Layer w15: v1(195.87,6352.36) 195.87,6397.3 237.41,6438.85 U23.1@316.78,6438.85 ; v1(327.17,4158.46) 389.76,4158.46 432.5,4201.21 432.5,4223.97 LED11.A@454.53,4246
  Bottom Layer w15: v1(195.87,6352.36) 195.87,6165.35 334.76,6026.46 334.76,5097.2 327.17,5089.61 v1(327.17,4158.46)
F_LED3: LED13.A U23.2 | length 2729.3
  Top Layer w15: v1(89.57,6070.87) 89.57,4419.29 123.03,4385.83 233.27,4385.83 263.78,4355.32 263.78,4088.58 229.88,4054.68 228.53,4054.68 206.5,4032.65 LED13.A@206.5,4011 ; v1@236.59,6388.81 U23.2@316.75,6388.81
  Bottom Layer w15: v1(89.57,6070.87) 89.57,6326.77 151.2,6388.41 v1(236.19,6388.41)
F_LED4: LED15.A U23.3 | length 3111.4
  Top Layer w15: v1(86.61,3857.28) 34.76,3909.13 34.76,6134.9 238.88,6339.02 U23.3@316.54,6339.02 ; v1(146.65,3920.28) 385.46,3920.28 454.53,3989.35 LED15.A@454.53,4011
  Bottom Layer w15: v1(86.61,3857.28) 145.7,3916.37 145.7,3919.32 v1(146.65,3920.28)
F_LED5: LED17.A U23.4 | length 2730.9
  Top Layer w12: LED17.A@206.5,3777 206.5,3798.65 54.17,3950.98 54.17,6106.98 236.1,6288.9 U23.4@316.65,6288.9
F_LED6: LED19.A U23.5 | length 2839.8
  Top Layer w15: v1@236.19,6238.31 U23.5@316.25,6238.31 ; v1(391.73,3685.04) 436.02,3685.04 454.53,3703.55 LED19.A@454.53,3777
  Bottom Layer w15: v1@237.14,6236.86 385.91,6088.09 385.91,4407.51 391.73,4401.7 v1(391.73,3685.04)
  other v1: 236.19,6237.82
F_LED7: LED21.A U23.6 | length 2878.2
  Top Layer w15: LED21.A@206.5,3542 208.66,3544.16 208.66,3617.13 286.42,3694.88 v1(354.33,3694.88) ; v1(236.19,6188.6) 236.31,6188.72 U23.6@316.62,6188.72
  Bottom Layer w15: v1(236.19,6188.6) 355.67,6069.12 355.67,3696.22 v1(354.33,3694.88)
F_LED8: LED23.A U23.7 | length 3019.2
  Top Layer w15: v1(170.28,6138.78) U23.7@316.68,6138.81 ; v1(375.98,3473.43) 376.15,3473.26 407.45,3473.26 454.53,3520.35 LED23.A@454.53,3542
  Bottom Layer w15: v1(170.28,6138.78) 298.67,6010.39 298.67,3546.67 334.62,3510.72 338.69,3510.72 v1(375.98,3473.43)
F_LED9: LED25.A U24.15 | length 3014.4
  Top Layer w15: LED25.A@206.5,3307 206.5,3396.46 251.97,3441.93 v1(494.41,3441.93) ; U24.15@536.78,5850.13 U24.15@536.78,5850.13 671.93,5850.07 v1(672,5850)
  Bottom Layer w15: v1(494.41,3441.93) 493.11,3443.22 493.11,4246.06 672.24,4425.2 672.24,5849.76 v1(672,5850)
F_LED10: LED27.A U24.1 | length 3363.4
  Top Layer w12: v1@89.12,3158.91 134.93,3204.72 373.91,3204.72 454.53,3285.35 LED27.A@454.53,3307 ; v1@239.92,5900.13 U24.1@316.78,5900.13
  Mid-Layer 2 w12: v1@89.13,3158.91 33.46,3214.57 33.46,5696.18 v1(236.22,5898.94)
  other v1: 89.57,3158.46
F_LED11: LED29.A U24.2 | length 2995.4
  Top Layer w12: v1(142.72,3158.46) 182.97,3118.21 182.97,3096.53 LED29.A@206.5,3073
  Top Layer w15: v1@236.63,5850.13 U24.2@316.78,5850.13
  Mid-Layer 2 w12: v1(142.72,3158.46) 54.13,3247.05 54.13,5667.64 v1(236.22,5849.73)
F_LED12: LED31.A U24.3 | length 3398.6
  Top Layer w15: v1(126.97,2982.28) 385.47,2982.28 454.53,3051.35 LED31.A@454.53,3073 ; v1@236.41,5800.32 U24.3@316.59,5800.32
  Mid-Layer 2 w15: v1(126.97,2982.28) 183.65,3038.96 183.65,4272.82 90.55,4365.91 90.55,5654.84 v1(236.22,5800.51)
F_LED13: LED33.A U24.4 | length 3184.4
  Top Layer w15: v1(125.98,2928.15) 189.96,2928.15 206.69,2911.42 206.69,2838.19 LED33.A@206.5,2838 ; v1@236.22,5750.22 U24.4@316.69,5750.22
  Mid-Layer 2 w15: v1(125.98,2928.15) 208.66,3010.83 208.66,4444.88 118.11,4535.43 118.11,5632.21 v1(236.22,5750.32)
F_LED14: LED35.A U24.5 | length 3525.1
  Top Layer w15: v1(138.78,2744.09) 382.28,2744.09 454.53,2816.35 LED35.A@454.53,2838 ; v1@236.22,5699.63 U24.5@316.28,5699.63
  Mid-Layer 2 w15: v1(138.78,2744.09) 181.09,2786.4 194.87,2786.4 236.22,2827.76 236.22,4449.8 146.65,4539.37 146.65,5609.57 v1(236.22,5699.13)
F_LED15: LED37.A U24.6 | length 3455.1
  Top Layer w15: v1(136.81,2510.83) 136.81,2511.66 206.5,2581.35 LED37.A@206.5,2603 ; v1@236.22,5650.03 U24.6@316.67,5650.03
  Mid-Layer 2 w15: v1(136.81,2510.83) 263.78,2637.8 263.78,4453.74 175.2,4542.32 175.2,5588.9 v1(236.22,5649.92)
F_LED16: LED39.A U24.7 | length 3341.5
  Top Layer w15: v1@236.22,5599.93 U24.7@316.58,5599.93 ; v1(372.05,2544.29) 373.39,2542.95 397.39,2542.95 398.05,2542.29 415.48,2542.29 454.53,2581.35 LED39.A@454.53,2603
  Mid-Layer 2 w15: v1(236.22,5599.73) 202.76,5566.26 202.76,4548.65 292.32,4459.08 292.32,2623.03 371.06,2544.29 v1(372.05,2544.29)
F_LED17: LED10.A U25.15 | length 3354.5
  Top Layer w15: LED10.A@206.5,2369 206.5,2445.67 276.57,2515.75 v1(473.5,2515.75) ; U25.15@537.69,5316.35 537.89,5316.15 642.51,5316.15 v1(642.72,5315.95)
  Bottom Layer w15: v1(473.5,2515.75) 473.5,3384.14 465.91,3391.73 465.91,4258.23 642.72,4435.04 v1(642.72,5315.95)
F_LED18: LED12.A U25.1 | length 3779.1
  Top Layer w12: v1@239.92,5366.35 U25.1@316.78,5366.35
  Top Layer w20: v1(89.57,2212.6) 156.5,2279.53 386.71,2279.53 454.53,2347.35 LED12.A@454.53,2369
  Mid-Layer 1 w12: v1(89.57,2212.6) 33.46,2268.7 33.46,5162.4 v1(236.22,5365.16)
F_LED19: LED14.A U25.2 | length 3401
  Top Layer w15: v1@236.63,5316.35 U25.2@316.78,5316.35
  Top Layer w20: v1(145.67,2216.54) v1(145.67,2216.54) 206.5,2155.65 LED14.A@206.5,2134
  Mid-Layer 1 w12: v1(145.67,2216.54) 53.72,2308.48 53.72,5133.45 v1(236.22,5315.95)
F_LED20: LED16.A U25.3 | length 3759.2
  Top Layer w15: v1(236.22,5266.73) 236.41,5266.54 316.59,5266.54 U25.3@316.78,5266.35
  Top Layer w20: v1(156.15,2039.37) 381.56,2039.37 454.53,2112.35 LED16.A@454.53,2134
  Mid-Layer 1 w15: v1(156.15,2039.37) 156.15,2040.12 184.06,2068.03 184.06,4432.09 102.36,4513.78 102.36,5132.87 v1(236.22,5266.73)
F_LED21: LED18.A U25.4 | length 3525.4
  Top Layer w15: v1(149.61,1977.36) 149.79,1977.36 206.5,1920.65 LED18.A@206.5,1899 ; v1@236.22,5216.44 316.69,5216.44 U25.4@316.78,5216.35
  Mid-Layer 1 w15: v1(149.61,1977.36) 208.66,2036.42 208.66,4437.99 126.97,4519.69 126.97,5107.28 v1(236.22,5216.54)
F_LED22: LED20.A U25.5 | length 3946.1
  Top Layer w15: v1(151.57,1773.62) 184.06,1806.1 383.29,1806.1 454.53,1877.35 LED20.A@454.53,1899 ; v1@236.22,5165.85 316.28,5165.85 U25.5@316.78,5166.35
  Mid-Layer 1 w15: v1(151.57,1773.62) 236.22,1858.27 236.22,4441.93 150.59,4527.56 150.59,5079.72 v1(236.22,5165.35)
F_LED23: LED22.A U25.6 | length 3854.5
  Top Layer w15: v1(146.65,1570.87) 184.47,1608.69 184.47,1642.97 LED22.A@206.5,1665 ; v1@236.22,5116.25 316.67,5116.25 U25.6@316.78,5116.35
  Mid-Layer 1 w15: v1(146.65,1570.87) 263.78,1687.99 263.78,4446.85 176.18,4534.45 176.18,5056.1 v1(236.22,5116.14)
F_LED24: LED24.A U25.7 | length 3858.1
  Top Layer w15: v1@236.22,5066.15 316.58,5066.15 U25.7@316.78,5066.35 ; v1(260.78,1590.55) 401.74,1590.55 454.53,1643.35 LED24.A@454.53,1665
  Mid-Layer 1 w15: v1(236.22,5065.94) 201.77,5031.5 201.77,4545.28 292.32,4454.72 292.32,1625.06 288.29,1621.03 288.29,1618.06 v1(260.78,1590.55)
F_LED25: LED26.A U26.15 | length 4046.6
  Top Layer w15: LED26.A@200.79,1414.06 267.41,1347.44 v1(437.01,1347.44) ; U26.15@536.78,4777.64 538.5,4779.36 591.61,4779.36 600.39,4788.15 600.39,4839.2 568.9,4870.69 v1(568.9,4872.05)
  Bottom Layer w15: v1(437.01,1347.44) 437.01,2576.21 445,2584.2 445,4266.89 446.73,4268.62 446.73,4815.83 502.95,4872.05 v1(568.9,4872.05)
F_LED26: LED28.A U26.1 | length 4422.2
  Top Layer w15: v1(53.15,1293.31) 53.15,1472.44 98.43,1517.72 219.49,1517.72 263.82,1562.05 399.56,1562.05 455.71,1505.91 455.71,1431.18 LED28.A@454.53,1430 ; v1@237.65,4827.64 U26.1@316.78,4827.64
  Bottom Layer w15: v1(53.15,1293.31) 34.45,1312.01 34.45,4624.8 v1(236.22,4826.58)
F_LED27: LED30.A U26.2 | length 3800.5
  Top Layer w15: v1(147.64,1273.62) 148.59,1272.67 150.49,1272.67 206.5,1216.65 LED30.A@206.5,1195 ; v1@237.65,4777.64 U26.2@316.78,4777.64
  Bottom Layer w12: v1(147.64,1273.62) 53.97,1367.29 53.97,4594.33 v1(236.22,4776.58)
F_LED28: LED32.A U26.3 | length 4151.9
  Top Layer w15: v1(142.72,1110.24) 329.67,1110.24 370.75,1151.32 432.5,1151.32 454.53,1173.35 LED32.A@454.53,1195 ; v1@234.25,4727.36 234.39,4727.5 316.64,4727.5 U26.3@316.78,4727.64
  Bottom Layer w15: v1(142.72,1110.24) 186.02,1153.54 186.02,4270.67 121.06,4335.63 121.06,4612.2 v1(236.22,4727.36)
F_LED29: LED34.A U26.4 | length 3885.5
  Top Layer w15: v1(162.4,1051.18) 163.36,1050.22 163.36,1025.8 206.5,982.65 LED34.A@206.5,961 ; v1@235.24,4678.15 235.49,4677.89 316.52,4677.89 U26.4@316.78,4677.64
  Bottom Layer w15: v1(162.4,1051.18) 206.93,1095.71 206.93,4424.96 161.42,4470.47 161.42,4603.35 v1(236.22,4678.15)
F_LED30: LED36.A U26.5 | length 4169.6
  Top Layer w15: v1(203.74,875) 390.19,875 454.53,939.35 LED36.A@454.53,961 ; v1@240.21,4627.64 U26.5@316.78,4627.64
  Bottom Layer w15: v1(203.74,875) 203.74,875.57 232.28,904.11 232.28,4451.77 197.83,4486.22 197.83,4588.58 v1(236.22,4626.97)
F_LED31: LED38.A U26.6 | length 4162.9
  Top Layer w15: LED38.A@206.5,730 209.65,726.85 v1(209.65,640.75) ; v1@236.22,4575.79 237.57,4575.79 239.42,4577.64 U26.6@316.78,4577.64
  Bottom Layer w15: v1(209.65,640.75) 265.56,696.66 265.56,1555.02 289.28,1578.75 289.28,3016.78 256.86,3049.2 256.86,4487.24 236.22,4507.87 v1(236.22,4576.77)
F_LED32: LED40.A U26.7 | length 4282.1
  Top Layer w15: v1(260.83,596.46) 342.52,596.46 432.38,686.32 432.5,686.32 454.53,708.35 LED40.A@454.53,730 ; v1(265.75,4526.57) 266.28,4527.11 316.25,4527.11 U26.7@316.78,4527.64
  Bottom Layer w15: v1(260.83,596.46) 286.46,622.09 286.46,1546.36 310.19,1570.09 310.19,3505.59 277.76,3538.01 277.76,4495.9 267.09,4506.57 267.09,4525.24 v1(265.75,4526.57)
FPOW1: U6.6 UC1.27 | length 3303.1
  Top Layer w10: UC1.27@4675.03,6750.34 4675.03,6682.25 4702.59,6654.7 4702.59,6404.94 4702.44,6404.8 4702.44,6142.41 v3@4704.07,6140.78
  Top Layer w15: v3(2580,6070) 2580,6121.21 v3(2668.31,6209.52) ; v3(2904.53,6303.15) v3@2905.61,6302.07 ; U6.6@2967.89,6302.07 U6.6@2968.98,6300.98
  Top Layer w20: v3@2905.61,6302.07 U6.6@2967.89,6302.07
  Bottom Layer w10: v3(2580,6070) 2612.24,6102.24 3953.01,6102.24 3962.69,6092.55 3962.94,6092.55 3963.99,6091.5 4651.84,6091.5 v3(4705.06,6144.71)
  Bottom Layer w15: v3(2668.31,6209.52) 2810.9,6209.52 v3(2904.53,6303.15)
FPOW2: U6.10 UC1.46 | length 2305.5
  Top Layer w10: v3(5011.5,6325) 5011.5,6329.5 5060.03,6378.03 5060.03,6680.97 5049.05,6691.95 UC1.46@5049.05,6750.34
  Top Layer w15: U6.10@3188.98,6350.98 3219.41,6350.98 3223.91,6346.48 3226.35,6346.48 3267.83,6305.01 3289.97,6305.01 v3@3290.93,6304.05
  Bottom Layer w20: v3(3288.39,6301.18) 3313.52,6326.32 5010.18,6326.32 v3(5011.5,6325)
FPOW3: U6.12 UC1.24 | length 1925.4
  Top Layer w10: 4615.66,6627.98 4615.66,6627.66 4603.35,6615.35 4603.35,6402.86 v3(4633.17,6373.03) ; 4615.98,6627.98 UC1.24@4615.98,6750.34
  Top Layer w15: U6.12@3178.15,6449.96 3270.51,6449.96 3294.94,6425.53 v3@3294.94,6376.63
  Bottom Layer w15: v3@3297.62,6375.98 3994.71,6375.98 4018.19,6352.5 4614.39,6352.5 4633.17,6371.29 v3(4633.17,6373.03)
  other v3: 3288.39,6376.63
FPOW4: U6.8 UC1.48 | length 2397.7
  Top Layer w10: UC1.48@5088.42,6750.34 5088.42,6707.58 5096,6700 v3(5096,6268)
  Top Layer w15: U6.8@3188.98,6250.98 3189.47,6250.49 3287.89,6250.49 v3(3288.39,6250)
  Bottom Layer w15: v3@3295.21,6253.83 3305.05,6253.83 3307.17,6255.95 4037.95,6255.95 4050.82,6268.82 v3@5096,6268.82 ; v3@5092.17,6267.83 v3@5096,6264
FPW1: C93.1 D37.K DCNCF1.A29 DCNCF1.B29 DT13.K R192.1 RP2.2
FPW2: C124.1 D36.K DCNCF1.A25 DCNCF1.B25 DT14.K R208.1 RP1.2
FPW3: C153.1 D67.K DCNCF1.A21 DCNCF1.B21 DT15.K R259.1 RP4.2
FPW4: C158.1 D38.K DCNCF1.A17 DCNCF1.B17 DT16.K R283.1 RP3.2